# KiCad board NewMXtest.kicad_pcb (continued)
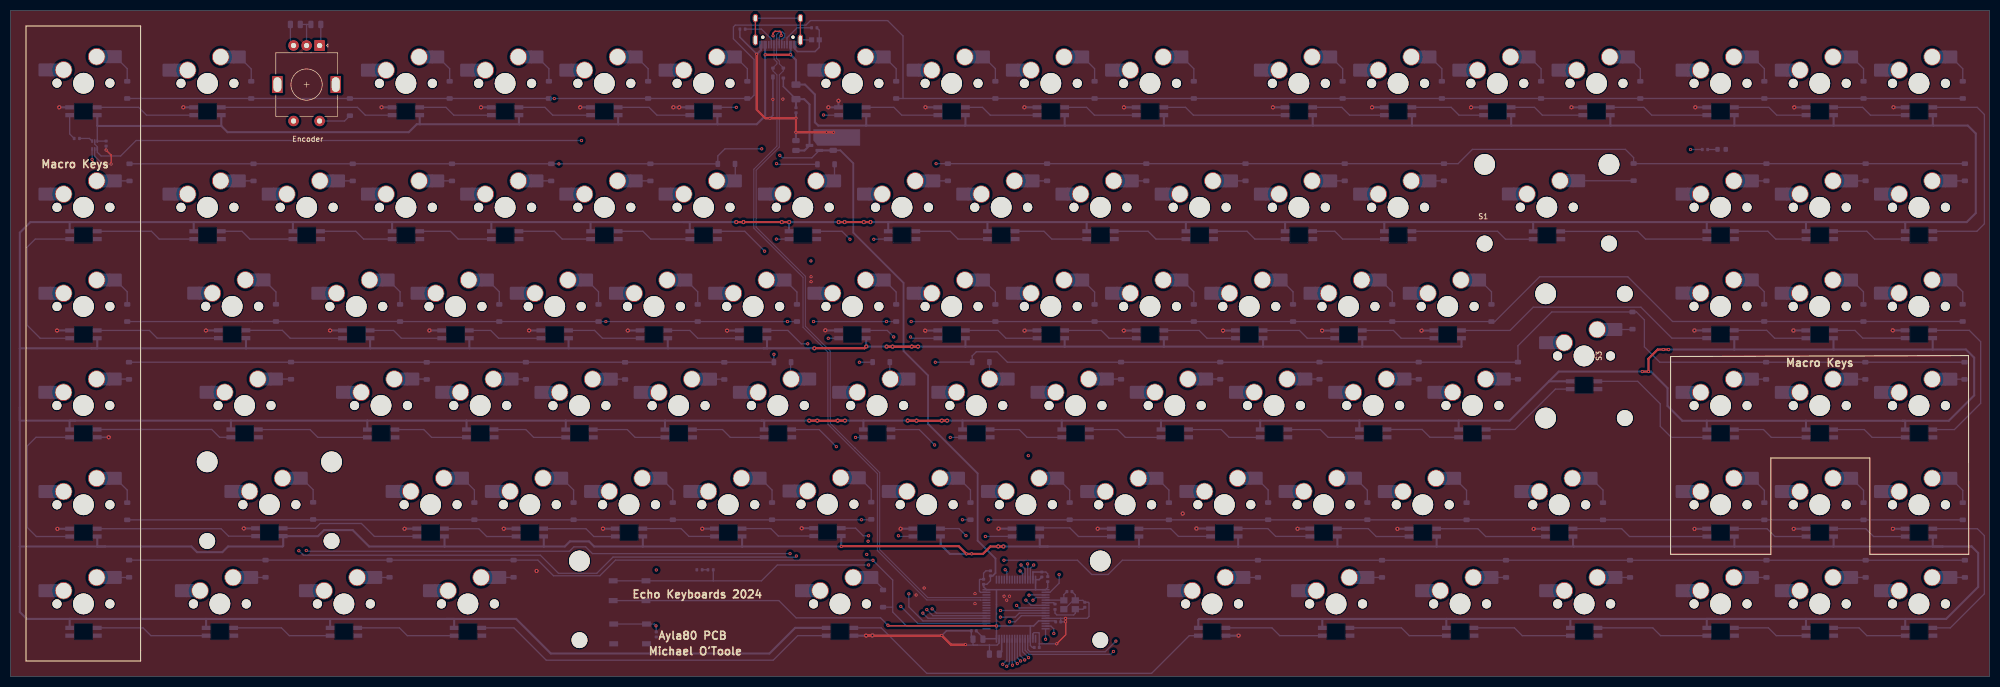
[diagram p0: board, top side]
## Routing (per net, layer and track width the routed paths; a pad name or vN(x,y) marks a point on that pad's centre or on a via; arc(x,y) is an arc through that point) (continued)
COL1: length 331.8
  In2.Cu w0.25: MX54.1 32.95,54.63 32.8,54.47 ; 30.51,92.7 30.51,76.66 32.8,74.38 32.8,72.7 ; 30.51,92.7 30.51,114.89 32.14,116.52 MX2.1 ; 30.51,92.7 30.52,92.71 MX19.1 ; v1(195.57,15.65) 196.95,15.65 197.5,15.1 197.5,7.35 195.44,5.29 180.84,5.29 176.9,1.35 38,1.35 32.8,6.56 32.8,16.37 ; 32.8,16.37 32.8,35.42 ; 32.8,16.37 32.93,16.51 MX89.1 ; 32.8,35.42 32.95,35.58 MX72.1 ; 32.8,35.42 32.8,54.47 ; 32.8,54.47 32.8,73.8 ; MX37.1 32.8,73.68
  Bottom w0.25: v1(195.57,15.65) 195.62,15.7 U2.3
COL2: length 283
  In1.Cu w0.25: MX90.1 74.39,16.51 88.9,2 189.2,2 196.32,9.12 v1(196.32,14.68)
  In2.Cu w0.25: 64.01,54.63 64.03,54.61 64.03,35.6 64.01,35.58 ; 64.01,54.63 MX55.1 ; 64.01,54.63 61.62,54.63 58.96,57.29 58.96,73.66 ; 64.01,35.58 62.5,35.58 60.22,33.29 60.22,29.3 59,28.08 59,24.3 60.22,23.08 MX90.1 ; 64.01,35.58 MX73.1 ; 47.78,92.66 47.78,84.69 58.81,73.66 58.96,73.66 ; 47.78,92.66 47.78,100.17 SW1.S1 ; 47.78,92.66 47.83,92.71 MX20.1 ; 58.96,73.66 MX38.1
  Bottom w0.25: U2.4 196.85,15.2 v1(196.32,14.68)
COL3: length 284.6
  In2.Cu w0.25: v1(193.2,13.67) 193.2,9.86 192.03,8.69 181.36,8.69 175.29,2.62 84.23,2.62 78.64,8.21 78.64,15.5 79.65,16.51 MX91.1 84.03,20.78 91.6,28.35 91.6,33.76 93.41,35.58 MX74.1 95.91,37.34 92.28,40.98 86.69,40.98 81.31,46.36 81.31,54.56 ; 81.31,54.56 81.37,54.63 MX56.1 ; 81.31,54.56 81.31,61.04 76.1,66.25 76.1,73.61 ; MX39.1 76.15,73.66 76.1,73.61 ; MX21.1 67.76,92.71 67.72,92.66 ; 76.1,73.61 76.1,78.44 73.44,81.11 69.5,81.11 67.72,82.89 67.72,92.66 ; 67.72,92.66 67.72,114.64 69.61,116.52 MX3.1
  Bottom w0.25: U2.8 193.67,13.2 v1(193.2,13.67)
COL4: length 225.9
  In1.Cu w0.25: v1(124.02,20.48) 141.38,3.12 172.67,3.12 182.24,12.7 v1(190.08,12.7)
  In2.Cu w0.25: 87.2,92.66 87.25,92.71 MX22.1 ; 87.2,92.66 87.2,82.81 88.88,81.13 91.62,81.13 96.3,76.46 96.3,73.66 ; 87.2,92.66 87.2,114.91 88.81,116.52 MX4.1 ; MX40.1 96.3,73.66 96.3,73.66 ; 100.66,54.72 100.66,60.1 96.3,64.47 96.3,73.66 ; 100.66,54.72 100.77,54.61 MX57.1 ; 100.66,54.72 100.66,45.99 105.68,40.98 112.43,40.98 114.97,38.44 MX75.1 124.4,35.58 125.75,34.23 125.75,22.22 v1(124.02,20.48)
  Bottom w0.25: U2.9 v1(190.08,12.7)
COL5: length 254.9
  In1.Cu w0.25: MX41.1 119.75,76.8 121.34,78.39 149.89,78.39 151.36,79.86 v1(153.7,79.86)
  In2.Cu w0.25: v1(153.7,79.86) 164.01,79.86 166.17,77.7 166.17,73.79 165.18,72.8 165.18,68.53 167.26,66.45 167.26,62.44 167.57,62.13 172.09,62.13 175.88,58.35 175.88,37.23 179.05,34.05 179.05,31.58 181.1,29.53 181.1,11.9 181.09,11.89 181.54,11.43 v1(190.07,11.43) ; 106.41,92.66 106.45,92.71 MX23.1 ; 106.41,92.66 106.41,83.57 115.45,74.53 115.45,73.66 ; 106.41,92.66 106.41,115.07 106.66,115.32 106.66,115.52 107.66,116.52 MX5.1 ; MX41.1 115.45,73.66 115.45,73.66 ; 120.53,54.56 120.53,58.17 115.45,63.25 115.45,73.66 ; 120.53,54.56 120.57,54.61 MX58.1 ; 120.53,54.56 120.53,45.74 130.69,35.58 MX76.1
  Bottom w0.25: v1(190.07,11.43) 192.93,11.43 193.7,12.2 U2.10
COL6: length 184.8
  In2.Cu w0.25: 138.3,54.6 138.33,54.63 MX59.1 ; 138.3,54.6 138.3,60.41 134.24,64.47 134.24,73.6 ; 138.3,54.6 138.3,47.25 148.54,37.01 148.54,14.78 152.11,11.21 170.37,11.21 171.06,10.52 v1(191.85,10.52) ; 125.4,92.7 125.41,92.71 MX24.1 ; 125.4,92.7 125.4,85.25 134.24,76.41 134.24,73.6 ; 125.4,92.7 125.4,114.81 127.11,116.52 MX6.1 ; 148.63,35.11 153.06,35.11 ; 134.24,73.6 134.3,73.66 MX42.1
  Bottom w0.25: v1(191.85,10.52) 192.92,10.52 194.1,11.7 U2.11
COL7: length 219.4
  In1.Cu w0.25: MX60.1 168.06,54.63 169.57,53.12 169.57,50.37 172.12,47.83 MX78.1 ; MX78.1 184.24,35.58 189.41,30.41 199.19,30.41 200.69,28.91 200.69,23.86 207.8,16.75 207.8,11.13 204.96,8.29 v1(200.33,8.29) ; MX78.1 170.08,35.58 166.5,32 163.2,32 161.7,30.5 161.7,22.74 MX92.1
  In2.Cu w0.25: 141.91,92.66 141.91,82.91 144.51,80.32 146.89,80.32 151.67,75.54 151.67,73.72 ; 141.91,92.66 141.91,101.55 145.83,105.47 153.7,105.47 154.21,105.97 154.21,114.97 155.76,116.52 MX7.1 ; 141.91,92.66 141.96,92.71 MX25.1 ; 151.67,73.72 151.67,62.59 155.63,58.63 155.63,55.17 156.17,54.63 MX60.1 ; 151.67,73.72 151.73,73.66 MX43.1
  Bottom w0.25: U2.15 199.79,9.7 200.33,9.15 v1(200.33,8.29)
COL8: length 171
  In1.Cu w0.25: v1(198.75,7.18) 205.04,7.18 208.38,10.51 208.38,17.42 201.58,24.22 201.58,34.12 200.12,35.58 MX79.1
  In2.Cu w0.25: MX79.1 191.16,40.34 192.05,41.23 192.05,53.8 191.23,54.63 MX61.1 181.64,60.15 187.35,65.87 187.35,72.85 186.55,73.66 MX44.1 176.9,76.24 178.72,78.06 178.72,91.01 177.02,92.71 MX26.1 167.37,99.22 172.75,104.6 172.75,115.65 173.62,116.52 MX8.1
  Bottom w0.25: U2.16 v1(198.75,7.18)
COL9: length 172.7
  In2.Cu w0.25: 191.75,73.61 191.75,62.59 196.32,58.02 196.32,54.67 ; 191.75,73.61 191.75,78.49 190.38,79.86 184.59,79.86 182.81,81.64 182.81,92.05 183.46,92.71 MX27.1 186.42,95.92 191.34,100.84 191.34,115.27 192.59,116.52 MX9.1 ; 191.75,73.61 191.79,73.66 MX45.1 ; 196.32,54.67 196.36,54.63 MX62.1 ; 196.32,54.67 196.32,47.5 204.73,39.1 204.73,35.59 204.76,35.56 ; 204.76,35.56 MX80.1 ; 204.76,35.56 204.76,27.49 207.12,25.13 211.92,25.13 213.9,23.15 213.9,8.47 212.25,6.82 v1(212.25,6.82)
  Bottom w0.25: v1(212.25,6.82) 210.21,4.78 195.74,4.78 195.32,5.19 U2.20
COL10: length 169.3
  In2.Cu w0.25: 214.2,54.67 214.24,54.63 MX63.1 ; 214.2,54.67 214.2,56.7 210.6,60.3 210.6,73.61 ; 214.2,54.67 214.2,47.2 223.93,37.47 223.93,35.59 ; MX46.1 210.64,73.66 210.6,73.61 ; 223.93,35.59 223.94,35.58 MX81.1 ; 223.93,35.59 223.93,24.66 215.93,16.65 215.93,8.98 v1(211.78,4.83) ; 210.6,73.61 210.6,76.51 201.66,85.45 201.66,90.84 203.53,92.71 MX28.1 208.77,96 208.77,113.14 212.15,116.52 MX10.1
  Bottom w0.25: v1(211.78,4.83) 211.22,4.27 195.61,4.27 194.82,5.06 U2.21
COL11: length 197.3
  In2.Cu w0.25: MX64.1 233.49,54.63 233.46,54.67 ; MX11.1 235.98,116.52 224.52,105.07 MX29.1 222.53,92.71 221.21,91.39 221.21,82.66 229.44,74.43 229.44,73.66 ; 243.21,35.64 243.21,39.83 241.15,41.89 235.77,41.89 233.46,44.2 233.46,54.67 ; 243.21,35.64 243.27,35.58 MX82.1 ; 243.21,35.64 243.21,20.08 239.63,16.51 MX93.1 225.28,16.51 212.41,3.64 v1(195.48,3.64) ; 233.46,54.67 233.46,58.83 229.44,62.84 229.44,73.66 ; 229.44,73.66 229.45,73.66 MX47.1
  Bottom w0.25: U2.22 194.32,4.8 v1(195.48,3.64)
COL12: length 217.7
  In2.Cu w0.25: v1(194.75,3.2) 195.08,2.88 234.75,2.88 248.38,16.51 MX94.1 262.72,28.51 262.72,34.45 263.83,35.56 MX83.1 267.37,47.88 268.28,48.8 268.28,53.19 266.84,54.63 MX65.1 252.47,54.63 252.35,54.51 252.35,58.58 247.73,63.2 247.73,73.66 ; 247.73,73.66 247.73,73.87 240.21,81.39 240.21,92.16 240.76,92.71 MX30.1 243.57,99.28 247.02,102.72 251.95,102.72 255.1,105.87 255.1,113.59 258.02,116.52 MX12.1 ; 247.73,73.66 247.74,73.66 MX48.1
  Bottom w0.25: U2.23 193.82,4.13 v1(194.75,3.2)
COL13: length 237.5
  In2.Cu w0.25: 268.58,73.72 268.64,73.66 MX49.1 ; 268.58,73.72 268.58,64.67 273.33,59.92 273.33,54.59 ; 268.58,73.72 268.58,76.43 259.08,85.93 259.08,91.5 260.3,92.71 MX31.1 278.13,108.22 278.13,115.57 279.08,116.52 MX13.1 ; 273.33,54.59 273.33,46.87 280,40.2 280,35.51 ; 273.33,54.59 273.37,54.63 MX66.1 ; 280,35.51 280.05,35.56 MX84.1 ; 280,35.51 280,24.68 280.01,24.67 274.53,19.18 MX95.1 274.53,12.35 264.6,2.43 194.54,2.43 v1(193.96,3)
  Bottom w0.25: v1(193.96,3) 193.32,3.64 U2.24
COL14: length 242.5
  In2.Cu w0.25: MX14.1 298.51,116.52 295.97,113.97 295.97,97.39 291.14,92.56 288.93,92.56 287.74,91.37 287.74,69.7 293.34,64.1 ; MX67.1 293.39,64.15 293.34,64.1 ; 293.34,64.1 293.34,57.1 297.59,52.85 297.59,47.33 306.43,38.49 306.43,24.6 MX96.1 298.34,12.82 287.5,1.98 193.84,1.98 v1(193.32,2.49)
  Bottom w0.25: U2.25 192.82,2.99 v1(193.32,2.49)
COL15: length 262.1
  In2.Cu w0.25: 320.98,54.61 320.98,35.54 ; 320.98,54.61 320.98,73.72 ; 320.98,54.61 320.99,54.61 MX68.1 ; 320.98,35.54 320.98,21.67 324.54,18.12 MX97.1 321.02,16.51 320.98,16.54 305.97,1.53 193.07,1.53 v1(192.39,2.2) ; 320.98,35.54 321,35.56 MX85.1 ; 320.98,92.7 320.98,73.72 ; 320.98,92.7 320.99,92.71 MX33.1 ; 320.98,92.7 320.98,115.02 322.49,116.52 MX15.1 ; 320.98,73.72 321.02,73.68 MX50.1
  Bottom w0.25: v1(192.39,2.2) 192.32,2.27 U2.26
COL16: length 284.5
  In2.Cu w0.25: 340.03,35.56 340.04,35.56 MX86.1 ; 340.03,35.56 340.03,54.61 ; 340.03,35.56 340.03,16.46 ; 340.03,16.46 340.08,16.51 MX98.1 ; 340.03,16.46 340.03,11.46 329.65,1.08 192.2,1.08 v1(191.29,1.99) ; MX34.1 340.1,92.71 340.03,92.64 ; MX69.1 340.04,54.61 340.03,54.61 ; 340.03,73.64 340.05,73.66 MX51.1 ; 340.03,73.64 340.03,54.61 ; 340.03,73.64 340.03,92.64 ; 340.03,92.64 340.03,115.07 341.49,116.52 MX16.1
  Bottom w0.25: v1(191.29,1.99) 191.82,2.52 U2.27
COL17: length 304.7
  In2.Cu w0.25: MX70.1 359.12,54.61 359.11,54.61 ; 359.11,73.74 359.17,73.68 MX52.1 ; 359.11,73.74 359.11,54.61 ; 359.11,73.74 359.11,92.69 ; 359.11,54.61 359.11,35.54 ; 359.11,35.54 359.11,16.51 ; 359.11,35.54 359.13,35.56 MX87.1 ; 359.11,16.51 359.12,16.51 MX99.1 ; 359.11,16.51 359.11,11.08 348.66,0.62 191.75,0.62 190.53,1.84 v1(190.53,2.37) ; 359.11,92.69 359.11,114.74 360.89,116.52 MX17.1 ; 359.11,92.69 359.13,92.71 MX35.1
  Bottom w0.25: U2.28 191.32,3.16 v1(190.53,2.37)
D+: length 140
  Bottom w0.2: U4.3 148.4,116.39 147.63,115.61 147.63,101.74 143.18,97.3 143.18,86.36 152.63,76.91 152.63,67.31 157.4,62.53 157.4,48.67 162.16,43.92 162.18,43.92 166.9,39.19 166.9,24.41 176.14,15.17 186.21,15.17 186.24,15.2 U2.45 ; 148.4,116.96 147.63,117.74 147.63,118.25 147.08,118.8 147.08,120.3 ; J1.A6 147.1,120.32
  Bottom w0.25: J1.A6 147.1,123.35 147.61,123.85 148.27,123.85 148.66,123.47 148.66,122.91 148.26,122.51 148.18,122.51 148.1,122.43 J1.B6
D-: length 140.9
  Top w0.25: 146.41,123.15 146.41,123.62 146.79,124 147.76,124 147.98,123.77 v1(147.98,123.19)
  Bottom w0.2: U2.44 186.24,14.7 186.21,14.72 175.95,14.72 166.45,24.22 166.45,39 156.95,48.5 156.95,62.34 152.18,67.12 152.18,76.72 142.73,86.17 142.73,97.48 147.18,101.93 147.18,115.61 146.78,116.01 146.4,116.39 U4.2 ; 146.4,116.96 147.18,117.74 147.18,118.06 146.63,118.61 146.63,120.3 ; J1.B7 146.6,120.32
  Bottom w0.25: v1(147.98,123.19) 147.6,122.81 J1.A7 ; J1.B7 146.6,122.95
  vias: v1(146.43,123.13)
NRST: length 95.4
  In1.Cu w0.25: v1(194.97,14.69) 194.97,9.94 187.69,2.65 132.83,2.65 125.73,9.74 v1(123.95,9.74)
  Bottom w0.25: C9.1 124,9.74 123.65,10.1 RST1.1 RST1.1 ; v1(194.97,14.69) 195.96,13.7 U2.7
PH0: length 5.5
  Bottom w0.25: U2.5 202.21,14.7 Y1.3 202.26,15.75 C10.1
PH1: length 1.9
  Bottom w0.25: U2.6 200.29,14.2 R2.1
R_A: length 267.3
  In1.Cu w0.25: v1(164.42,23.47) 165.54,24.59 186.29,24.59 187.66,23.22 193.73,23.22 v1(195.31,21.65)
  In2.Cu w0.25: v1(150.91,23.17) 151.01,23.17 151.31,23.47 v1(164.42,23.47) ; SW1.A 59.36,122.59 58.65,123.3 52.86,123.3 45.19,115.63 45.19,80.83 56.05,69.97 56.05,24.86 v1(55.38,24.19)
  Bottom w0.25: v1(55.38,24.19) 56.24,23.32 101.74,23.32 105.22,19.84 112.58,19.84 115.7,22.97 150.7,22.97 v1(150.91,23.17) ; v1(195.31,21.65) 195.32,21.63 U2.61 ; C17.1 59.59,121.48 SW1.A
R_B: length 256.5
  In1.Cu w0.25: v1(164.67,26.01) 165.13,26.01 165.69,25.46 186.82,25.46 188.4,23.88 195.56,23.88 196.47,22.97 v1(196.47,21.44)
  In2.Cu w0.25: v1(149.69,23.63) 150.14,24.08 162.74,24.08 v1(164.67,26.01) ; v1(56.8,24.24) 56.8,71.05 46.26,81.59 46.26,113.15 SW1.B
  Bottom w0.25: SW1.B 53.76,121.86 C16.1 ; v1(149.69,23.63) 111.75,23.63 110.45,24.93 108.18,24.93 107.33,24.08 56.95,24.08 v1(56.8,24.24) ; U2.62 195.82,20.79 v1(196.47,21.44)
RGB: length 271
  In1.Cu w0.25: v1(190.99,20.53) 188.55,20.53 171.62,3.6 141.68,3.6 126.43,18.85 126.43,28 124.25,30.18 112.55,30.18 109.25,33.48 109.25,36.61 96.96,48.9 96.96,75.29 103.26,81.59 103.26,98.05 101.96,99.34 v1(15.68,99.34)
  Bottom w0.25: U2.53 191.32,20.19 v1(190.99,20.53) ; v1(15.68,99.34) 15.68,99.35 U1.3
RGB_DATA: length 4.8
  Bottom w0.25: R1.2 11.38,104.27 RGB1.4
ROW0: length 560.1
  In1.Cu w0.25: v1(104.42,111.05) 104.42,81.61 112.55,73.49 112.55,61.68 118.9,55.33 118.9,43.63 127.15,35.38 127.15,18.88 141.97,4.05 170.7,4.05 176.97,10.32 v1(176.97,13.01)
  Bottom w0.25: D17.1 D16.1 D15.1 D14.1 D13.1 D12.1 D11.1 D10.1 D9.1 D8.1 171.38,111.08 ; v1(176.97,13.01) 177.78,12.2 U2.39 ; D7.1 171.38,111.08 ; 171.38,111.08 171.38,123.09 168.43,126.04 153.6,126.04 152.73,125.18 139.17,125.18 138.82,124.82 138.82,122.53 142.78,118.57 142.78,111.71 142.14,111.08 D6.1 D5.1 D4.1 D3.1 D2.1 D1.1
ROW1: length 526
  In1.Cu w0.25: v1(175.95,12.86) 175.95,11.03 169.42,4.5 142.16,4.5 127.75,18.91 127.75,35.97 119.66,44.05 119.66,55.63 113.36,61.93 113.36,74.07 105.31,82.12 v1(105.31,98.51) ; v1(177.73,98.56) v1(147.1,98.56) v1(144.25,101.4)
  Bottom w0.25: D35.1 D34.1 D33.1 311.68,98.56 D32.1 311.66,99.71 310.07,101.3 280.7,101.3 277.96,98.56 D31.1 D30.1 D26.1 v1(177.73,98.56) ; v1(144.25,101.4) 137.19,101.4 135.82,100.03 D24.1 122.9,98.51 D23.1 D18.1 ; U2.38 177.11,11.7 v1(175.95,12.86) ; D25.1 147.22,98.43 v1(147.1,98.56)
ROW2: length 486.5
  In1.Cu w0.25: v1(114.33,68.22) 114.33,62.39 120.43,56.29 120.43,44.88 128.38,36.93 128.38,18.93 142.33,4.98 167.97,4.98 v1(175.19,12.2) ; v1(168.2,68.22) v1(172.94,68.22) ; v1(149.18,68.22) v1(154.2,68.22)
  Bottom w0.25: v1(172.94,68.22) D44.1 D45.1 D47.1 D49.1 285.01,68.22 293.6,76.81 310.55,76.81 319.12,68.24 D50.1 D52.1 ; v1(175.19,12.2) 176.19,11.2 U2.37 ; D36.1 46.45,68.22 46.47,68.24 D37.1 74.79,68.24 D38.1 D39.1 D40.1 D41.1 v1(149.18,68.22) D42.1 ; v1(154.2,68.22) v1(168.2,68.22) D43.1
ROW3: length 439.4
  In1.Cu w0.25: v1(177.58,60.41) v1(163,60.41) 161.48,61.93 v1(146.59,61.93)
  In2.Cu w0.25: v1(172.5,15.9) 172.5,20.58 168.77,24.31 168.77,54.54 163,60.31 v1(163,60.41)
  Bottom w0.25: v1(177.58,60.41) 177.6,60.43 D61.1 184.67,61.6 184.66,61.61 185.45,62.41 189.42,62.41 191.42,60.41 289.42,60.41 D66.1 289.44,63.56 295.94,70.06 D67.1 312.2,70.06 313.72,68.53 313.72,63.35 316.67,60.41 D68.1 D69.1 D70.1 ; v1(172.5,15.9) 172.5,13.4 175.2,10.7 U2.36 ; v1(146.59,61.93) D59.1 D53.1 ; 165.64,60.41 v1(163,60.41)
ROW4: length 393.5
  In1.Cu w0.25: v1(170.96,13.48) 170.94,13.48 163.4,21.02 v1(163.4,30.13) v1(182.78,30.13) v1(187.76,30.13)
  Bottom w0.25: D78.1 182.79,30.14 v1(182.78,30.13) ; v1(170.96,13.48) 174.24,10.2 U2.35 ; 165.29,30.13 v1(163.4,30.13) 163.39,30.12 D71.1 ; D87.1 D85.1 187.77,30.12 v1(187.76,30.13)
ROW5: length 389.7
  In1.Cu w0.25: v1(190.76,22.36) v1(165.61,22.36)
  Bottom w0.25: D88.1 D89.1 D91.1 101.27,22.38 104.28,19.38 113.17,19.38 116.18,22.38 165.56,22.38 169.4,18.55 169.4,12.4 ; D92.1 169.37,13.34 ; U2.34 172.1,9.7 169.4,12.4 ; v1(190.76,22.36) 204.87,22.36 207.6,19.62 210.77,19.62 213.5,22.36 D93.1 D99.1
Net-(C11-Pad1): length 7.6
  Bottom w0.25: R2.2 200.56,12.2 200.92,11.84 204.14,11.84 204.46,12.15 Y1.1 205.91,12.95 C11.1
Net-(D1-A): length 5.7
  Bottom w0.25: D1.2 22.42,116.8 MX1.2
Net-(D2-A): length 5.6
  Bottom w0.25: MX2.2 46.24,116.75 D2.2
Net-(D3-A): length 5.7
  Bottom w0.25: 82.02,119.11 84.34,116.8 D3.2
Net-(D4-A): length 5.7
  Bottom w0.25: D4.2 103.39,116.8 101.07,119.11
Net-(D5-A): length 5.7
  Bottom w0.25: D5.2 122.44,116.8 120.12,119.11
Net-(D6-A): length 5.7
  Bottom w0.25: 139.17,119.11 141.49,116.8 D6.2
Net-(D7-A): length 5.7
  Bottom w0.25: D7.2 170.06,116.8 167.75,119.11
Net-(D8-A): length 5.7
  Bottom w0.25: 186.8,119.11 189.11,116.8 D8.2
Net-(D9-A): length 5.7
  Bottom w0.25: D9.2 208.16,116.8 205.85,119.11
Net-(D10-A): length 5.7
  Bottom w0.25: 224.9,119.11 227.21,116.8 D10.2
Net-(D11-A): length 5.7
  Bottom w0.25: D11.2 255.79,116.8 253.47,119.11
Net-(D12-A): length 5.7
  Bottom w0.25: D12.2 274.84,116.8 272.52,119.11
Net-(D13-A): length 5.7
  Bottom w0.25: 291.57,119.11 293.89,116.8 D13.2
Net-(D14-A): length 5.7
  Bottom w0.25: D14.2 312.94,116.8 310.62,119.11
Net-(D15-A): length 5.7
  Bottom w0.25: D15.2 336.75,116.8 334.44,119.11
Net-(D16-A): length 5.7
  Bottom w0.25: D16.2 355.8,116.8 353.49,119.11
Net-(D17-A): length 5.7
  Bottom w0.25: D17.2 374.85,116.8 372.54,119.11
Net-(D18-A): length 2.8
  Bottom w0.25: D18.2 22.85,95.25 MX18.2
Net-(D19-A): length 2.8
  Bottom w0.25: D19.2 46.66,95.25 MX19.2
Net-(D20-A): length 2.8
  Bottom w0.25: D20.2 65.71,95.25 MX20.2
Net-(D21-A): length 2.8
  Bottom w0.25: MX21.2 84.76,95.25 D21.2
Net-(D22-A): length 2.8
  Bottom w0.25: MX22.2 103.81,95.25 D22.2
Net-(D23-A): length 2.8
  Bottom w0.25: D23.2 122.86,95.25 MX23.2
Net-(D24-A): length 3.3
  Bottom w0.25: D24.2 139.17,98.45 MX24.2
Net-(D25-A): length 3.2
  Bottom w0.25: MX25.2 158.22,98.41 D25.2
Net-(D26-A): length 2.7
  Bottom w0.25: MX26.2 179.98,95.25 D26.2
Net-(D27-A): length 2.7
  Bottom w0.25: D27.2 199.03,95.25 MX27.2
Net-(D28-A): length 2.7
  Bottom w0.25: D28.2 218.08,95.25 MX28.2
Net-(D29-A): length 2.7
  Bottom w0.25: MX29.2 237.13,95.25 D29.2
Net-(D30-A): length 2.7
  Bottom w0.25: D30.2 256.18,95.25 MX30.2
Net-(D31-A): length 2.7
  Bottom w0.25: D31.2 275.23,95.25 MX31.2
Net-(D32-A): length 10.6
  Bottom w0.25: D32.2 311.64,95.27 MX32.2
Net-(D33-A): length 2.7
  Bottom w0.25: D33.2 337.14,95.25 MX33.2
Net-(D34-A): length 2.7
  Bottom w0.25: D34.2 356.19,95.25 MX34.2
Net-(D35-A): length 2.7
  Bottom w0.25: D35.2 375.24,95.25 MX35.2
Net-(D36-A): length 5.7
  Bottom w0.25: 20.11,76.25 22.42,73.93 D36.2
Net-(D37-A): length 5.6
  Bottom w0.25: MX37.2 50.98,73.9 D37.2
Net-(D38-A): length 5.7
  Bottom w0.25: 72.5,76.25 74.81,73.93 D38.2
Net-(D39-A): length 5.7
  Bottom w0.25: D39.2 93.86,73.93 91.55,76.25
Net-(D40-A): length 5.7
  Bottom w0.25: 110.6,76.25 112.91,73.93 D40.2
Net-(D41-A): length 5.7
  Bottom w0.25: D41.2 131.96,73.93 129.65,76.25
Net-(D42-A): length 5.6
  Bottom w0.25: MX42.2 151.01,73.88 D42.2
Net-(D43-A): length 5.6
  Bottom w0.25: D43.2 170.06,73.88 MX43.2
Net-(D44-A): length 5.6
  Bottom w0.25: D44.2 189.11,73.88 MX44.2
Net-(D45-A): length 5.6
  Bottom w0.25: D45.2 208.16,73.88 MX45.2
Net-(D46-A): length 5.7
  Bottom w0.25: 224.9,76.25 227.21,73.93 D46.2
Net-(D47-A): length 5.7
  Bottom w0.25: 243.95,76.25 246.26,73.93 D47.2
Net-(D48-A): length 5.7
  Bottom w0.25: D48.2 265.31,73.93 263,76.25
Net-(D49-A): length 5.7
  Bottom w0.25: 282.05,76.25 284.36,73.93 D49.2
Net-(D50-A): length 5.7
  Bottom w0.25: 334.42,76.27 336.73,73.95 D50.2
Net-(D51-A): length 5.7
  Bottom w0.25: D51.2 355.78,73.93 353.47,76.25
Net-(D52-A): length 5.7
  Bottom w0.25: 374.85,71.52 374.85,73.93 372.54,76.25
Net-(D53-A): length 2.7
  Bottom w0.25: MX53.2 22.7,57.17 D53.2
Net-(D54-A): length 2.8
  Bottom w0.25: MX54.2 53.84,57.17 D54.2
Net-(D55-A): length 2.6
  Bottom w0.25: MX55.2 79.85,57.17
Net-(D56-A): length 2.6
  Bottom w0.25: MX56.2 98.9,57.17
Net-(D57-A): length 2.6
  Bottom w0.25: MX57.2 117.95,57.15
Net-(D58-A): length 2.6
  Bottom w0.25: MX58.2 137,57.15
Net-(D59-A): length 3.3
  Bottom w0.25: 149.8,60.41 149.8,57.26 MX59.2
Net-(D60-A): length 3.3
  Bottom w0.25: MX60.2 168.84,57.26 D60.2
Net-(D61-A): length 3.3
  Bottom w0.25: MX61.2 187.97,57.19 D61.2
Net-(D62-A): length 2.7
  Bottom w0.25: MX62.2 213.2,57.17 D62.2
Net-(D63-A): length 2.7
  Bottom w0.25: MX63.2 232.25,57.17 D63.2
Net-(D64-A): length 2.7
  Bottom w0.25: D64.2 251.3,57.17 MX64.2
Net-(D65-A): length 2.7
  Bottom w0.25: MX65.2 270.35,57.17 D65.2
Net-(D66-A): length 2.6
  Bottom w0.25: MX66.2 289.4,57.17
Net-(D67-A): length 3.5
  Bottom w0.25: 307.97,66.69 311.37,66.69 D67.2
Net-(D68-A): length 2.7
  Bottom w0.25: MX68.2 337.05,57.15 D68.2
Net-(D69-A): length 2.7
  Bottom w0.25: D69.2 356.1,57.15 MX69.2
Net-(D70-A): length 2.7
  Bottom w0.25: D70.2 375.15,57.15 MX70.2
Net-(D71-A): length 5.7
  Bottom w0.25: D71.2 22.42,35.83 20.11,38.15
Net-(D72-A): length 5.7
  Bottom w0.25: 55.81,38.22 58.12,35.9 D72.2
Net-(D73-A): length 5.7
  Bottom w0.25: D73.2 89.08,35.85 86.77,38.17
Net-(D74-A): length 5.7
  Bottom w0.25: D74.2 108.13,35.85 105.82,38.17
Net-(D75-A): length 5.7
  Bottom w0.25: 124.87,38.17 127.18,35.85 D75.2
Net-(D76-A): length 5.7
  Bottom w0.25: D76.2 146.23,35.85 143.92,38.17
Net-(D77-A): length 5.7
  Bottom w0.25: D77.2 165.28,35.93 162.97,38.25
Net-(D78-A): length 5.7
  Bottom w0.25: D78.2 184.33,35.85 182.02,38.17
Net-(D79-A): length 5.6
  Bottom w0.25: MX79.2 203.38,35.8 D79.2
Net-(D80-A): length 5.7
  Bottom w0.25: D80.2 222.43,35.83 220.12,38.15
Net-(D81-A): length 5.7
  Bottom w0.25: D81.2 241.48,35.85 239.17,38.17
Net-(D82-A): length 5.6
  Bottom w0.25: MX82.2 260.53,35.8 D82.2
Net-(D83-A): length 5.6
  Bottom w0.25: D83.2 279.58,35.78 MX83.2
Net-(D84-A): length 5.7
  Bottom w0.25: D84.2 305.77,35.83 303.46,38.15
Net-(D85-A): length 5.6
  Bottom w0.25: D85.2 336.75,35.78 MX85.2
Net-(D86-A): length 5.6
  Bottom w0.25: MX86.2 355.8,35.78 D86.2
Net-(D87-A): length 5.6
  Bottom w0.25: MX87.2 374.85,35.78 D87.2
Net-(D88-A): length 2.7
  Bottom w0.25: D88.2 22.75,19.05 MX88.2
Net-(D89-A): length 2.7
  Bottom w0.25: D89.2 48.95,19.05 MX89.2
Net-(D90-A): length 2.7
  Bottom w0.25: MX90.2 72.76,19.05 D90.2
Net-(D91-A): length 2.7
  Bottom w0.25: MX91.2 96.57,19.05 D91.2
Net-(D92-A): length 3.3
  Bottom w0.25: D92.2 167.54,16.87 MX92.2
Net-(D93-A): length 2.7
  Bottom w0.25: D93.2 239.52,19.05 MX93.2
Net-(D94-A): length 2.7
  Bottom w0.25: D94.2 263.33,19.05 MX94.2
Net-(D95-A): length 2.7
  Bottom w0.25: D95.2 287.14,19.05 MX95.2
Net-(D96-A): length 2.7
  Bottom w0.25: MX96.2 310.95,19.05 D96.2
Net-(D97-A): length 2.7
  Bottom w0.25: MX97.2 337.15,19.05 D97.2
Net-(D98-A): length 2.7
  Bottom w0.25: D98.2 356.2,19.05 MX98.2
Net-(D99-A): length 2.7
  Bottom w0.25: D99.2 375.25,19.05 MX99.2
Net-(D100-A): length 6.2
  Bottom w0.25: SW1.S2 64.15,106.75 D100.2
Net-(J1-CC1): length 6.9
  Bottom w0.25: R5.2 144.19,124.41 146.1,122.5 J1.A5
Net-(J1-CC2): length 6.8
  Bottom w0.25: J1.B5 149.1,122.72 151.05,124.66 R6.1
Net-(J1-SHIELD): length 19.2
  Top w0.25: J1.S1 J1.S1 ; J1.S1 J1.S1
  Bottom w0.25: J1.S1 153.8,122.32 FB1.1 ; J1.S1 J1.S1
Net-(Led1-A): length 1.9
  Bottom w0.25: R7.2 327.74,101.27 Led1.2
Net-(R3-Pad2): length 1.1
  Bottom w0.25: R3.2 R4.2
Net-(RGB1-DOUT): length 19.1
  Bottom w0.25: RGB2.4 26.12,107.88 24.62,109.38 RGB1.2
Net-(RGB2-DOUT): length 33.4
  Bottom w0.25: RGB2.2 66.62,109.38 68.12,107.88 RGB3.4
Net-(RGB3-DOUT): length 14.4
  Bottom w0.25: RGB3.2 83.62,109.38 85.12,107.88 RGB4.4
Net-(RGB4-DOUT): length 14.4
  Bottom w0.25: RGB5.4 104.12,107.88 102.62,109.38 RGB4.2
Net-(RGB5-DOUT): length 14.4
  Bottom w0.25: RGB5.2 122.62,109.38 124.12,107.88 RGB6.4
Net-(RGB6-DOUT): length 23.9
  In1.Cu w0.25: v1(139.37,109.38) 154.64,109.38 v1(156.11,107.9)
  Bottom w0.25: v1(156.11,107.9) 156.14,107.88 RGB7.4 ; RGB6.2 v1(139.37,109.38)
Net-(RGB7-DOUT): length 14.4
  Bottom w0.25: RGB8.4 171.12,107.88 169.62,109.38 RGB7.2
Net-(RGB8-DOUT): length 14.4
  Bottom w0.25: RGB9.4 188.12,107.88 186.62,109.38 RGB8.2
Net-(RGB10-DIN): length 14.4
  Bottom w0.25: RGB10.4 208.12,107.88 206.62,109.38 RGB9.2
Net-(RGB10-DOUT): length 23.9
  Bottom w0.25: RGB11.4 227.12,107.88 225.62,109.38 RGB10.2
Net-(RGB11-DOUT): length 14.4
  Bottom w0.25: RGB11.2 255.62,109.38 257.12,107.88 RGB12.4
Net-(RGB12-DOUT): length 14.4
  Bottom w0.25: RGB12.2 276.62,109.38 278.12,107.88 RGB13.4
Net-(RGB13-DOUT): length 14.4
  Bottom w0.25: RGB14.4 294.12,107.88 292.62,109.38 RGB13.2
Net-(RGB14-DOUT): length 19.1
  Bottom w0.25: RGB15.4 315.12,107.88 313.62,109.38 RGB14.2
Net-(RGB15-DOUT): length 14.4
  Bottom w0.25: RGB16.4 339.12,107.88 337.62,109.38 RGB15.2
Net-(RGB16-DOUT): length 14.4
  Bottom w0.25: RGB16.2 355.62,109.38 357.12,107.88 RGB17.4
Net-(RGB17-DOUT): length 42
  Bottom w0.25: RGB35.4 377.56,85.56 379,87 379,108 377.62,109.38 RGB17.2
Net-(RGB18-DIN): length 19.1
  Bottom w0.25: RGB19.2 28.57,84.06 27.07,85.56 RGB18.4
Net-(RGB18-DOUT): length 33
  Bottom w0.25: RGB36.4 5.71,65.01 3.2,67.52 3.2,82.5 4.76,84.06 RGB18.2
Net-(RGB19-DIN): length 14.4
  Bottom w0.25: RGB19.4 44.47,85.56 45.97,84.06 RGB20.2
Net-(RGB20-DIN): length 14.4
  Bottom w0.25: RGB21.2 67.81,84.06 66.31,85.56 RGB20.4
Net-(RGB21-DIN): length 14.4
  Bottom w0.25: RGB21.4 84.47,85.56 85.97,84.06 RGB22.2
Net-(RGB22-DIN): length 14.4
  Bottom w0.25: RGB23.2 105.94,84.06 104.44,85.56 RGB22.4
Net-(RGB23-DIN): length 14.4
  Bottom w0.25: RGB24.2 122.94,84.06 121.44,85.56 RGB23.4
Net-(RGB24-DIN): length 16.3
  In1.Cu w0.25: v1(144.81,81.74) 144.81,81.81 v1(147.06,84.06)
  Bottom w0.25: RGB24.4 140.99,85.56 v1(144.81,81.74) ; RGB25.2 v1(147.06,84.06)
Net-(RGB25-DIN): length 14.4
  In1.Cu w0.25: v1(161.19,84.03) v1(165.76,84.03)
  Bottom w0.25: RGB26.2 165.8,84.06 v1(165.76,84.03) ; RGB25.4 159.66,85.56 v1(161.19,84.03)
Net-(RGB26-DIN): length 14.4
  Bottom w0.25: RGB27.2 181.94,84.06 180.44,85.56 RGB26.4
Net-(RGB27-DIN): length 14.4
  Bottom w0.25: RGB28.2 199.94,84.06 198.44,85.56 RGB27.4
Net-(RGB28-DIN): length 14.4
  Bottom w0.25: RGB28.4 218.44,85.56 219.94,84.06 RGB29.2
Net-(RGB29-DIN): length 14.4
  Bottom w0.25: RGB29.4 237.44,85.56 238.94,84.06 RGB30.2
Net-(RGB30-DIN): length 14.4
  Bottom w0.25: RGB31.2 255.77,84.06 254.27,85.56 RGB30.4
Net-(RGB31-DIN): length 23.9
  Bottom w0.25: RGB31.4 285.53,85.56 287.05,84.04 RGB32.2
Net-(RGB32-DIN): length 28.6
  Bottom w0.25: RGB33.2 313.94,84.06 312.46,85.54 RGB32.4
Net-(RGB33-DIN): length 14.4
  Bottom w0.25: RGB34.2 338.94,84.06 337.44,85.56 RGB33.4
Net-(RGB34-DIN): length 14.4
  Bottom w0.25: RGB35.2 357.94,84.06 356.44,85.56 RGB34.4
Net-(RGB36-DOUT): length 23.9
  Bottom w0.25: RGB37.4 28.17,65.03 26.69,66.51 RGB36.2
Net-(RGB37-DOUT): length 19.2
  Bottom w0.25: RGB38.4 53.72,65.01 52.2,66.53 RGB37.2
Net-(RGB38-DOUT): length 14.4
  Bottom w0.25: RGB38.2 73.55,66.51 75.05,65.01 RGB39.4
Net-(RGB39-DOUT): length 14.4
  Bottom w0.25: RGB39.2 92.22,66.51 93.72,65.01 RGB40.4
Net-(RGB40-DOUT): length 14.4
  Bottom w0.25: RGB40.2 112.16,66.51 113.66,65.01 RGB41.4
Net-(RGB41-DOUT): length 14.4
  Bottom w0.25: RGB41.2 130.45,66.51 131.95,65.01 RGB42.4
Net-(RGB42-DOUT): length 15.3
  In1.Cu w0.25: v1(153.09,63.94) 155.96,63.94 v1(157.03,65)
  Bottom w0.25: RGB42.2 149.27,66.51 151.85,63.94 v1(153.09,63.94) ; RGB43.4 159,65 v1(157.03,65)
Net-(RGB43-DOUT): length 14.4
  In1.Cu w0.25: v1(169.6,65.26) v1(172.83,65.26)
  Bottom w0.25: RGB44.4 173.07,65.01 v1(172.83,65.26) ; v1(169.6,65.26) 168.35,66.51 RGB43.2
Net-(RGB44-DOUT): length 14.4
  Bottom w0.25: RGB45.4 191.13,65.01 189.63,66.51 RGB44.2
Net-(RGB45-DOUT): length 14.4
  Bottom w0.25: RGB45.2 209.44,66.51 210.94,65.01 RGB46.4
Net-(RGB46-DOUT): length 14.4
  Bottom w0.25: RGB47.4 229.74,65.01 228.24,66.51 RGB46.2
Net-(RGB47-DOUT): length 14.4
  Bottom w0.25: RGB47.2 247.49,66.51 248.99,65.01 RGB48.4
Net-(RGB48-DOUT): length 14.4
  Bottom w0.25: RGB48.2 265.53,66.51 267.03,65.01 RGB49.4
Net-(RGB49-DOUT): length 51.4
  Bottom w0.25: RGB50.4 319,65.03 313.06,70.97 292.38,70.97 287.92,66.51 RGB49.2
Net-(RGB50-DOUT): length 14.4
  Bottom w0.25: RGB51.4 338.73,65.01 337.21,66.53 RGB50.2
Net-(RGB51-DOUT): length 14.4
  Bottom w0.25: RGB51.2 354.15,66.51 355.63,65.03 RGB52.4
Net-(RGB52-DOUT): length 33.2
  Bottom w0.25: RGB52.2 376.1,66.53 378.29,64.34 378.29,52.51 373.24,47.46 RGB70.4
Net-(RGB53-DIN): length 26.3
  Bottom w0.25: RGB53.4 38.66,47.48 40.16,45.98 RGB54.2
Net-(RGB53-DOUT): length 33.3
  Bottom w0.25: RGB71.4 4.97,26.91 3.23,28.66 3.23,44.3 4.91,45.98 RGB53.2
Net-(RGB54-DIN): length 21.5
  Bottom w0.25: RGB55.2 59.03,45.96 57.53,47.46 47.63,47.46
Net-(RGB55-DIN): length 14.4
  Bottom w0.25: RGB55.4 79.37,47.46 80.87,45.96 87.58,45.96
Net-(RGB56-DIN): length 14.4
  Bottom w0.25: 92.88,47.46 98.95,47.46 100.45,45.96 106.62,45.96
Net-(RGB57-DIN): length 14.4
  Bottom w0.25: 125.68,45.96 119.93,45.96 118.43,47.46 111.93,47.46
Net-(RGB58-DIN): length 14.4
  Bottom w0.25: 144.72,45.96 138.22,45.96 136.72,47.46 130.97,47.46
Net-(RGB59-DIN): length 15.9
  In1.Cu w0.25: v1(162.26,45.95) 160.48,44.18 v1(158.58,44.18)
  Bottom w0.25: v1(158.58,44.18) 155.29,47.46 150.03,47.46 ; v1(162.26,45.95) 162.27,45.96 163.78,45.96
Net-(RGB60-DIN): length 15.6
  In1.Cu w0.25: v1(177.45,44.51) 179,44.51 v1(180.45,45.95)
  Bottom w0.25: 169.07,47.46 174.49,47.46 v1(177.45,44.51) ; 182.82,45.96 180.46,45.96 v1(180.45,45.95)
Net-(RGB61-DIN): length 14.4
  Bottom w0.25: 188.12,47.46 193.69,47.46 195.19,45.96 201.88,45.96
Net-(RGB62-DIN): length 14.4
  Bottom w0.25: 220.93,45.96 214.07,45.96 212.57,47.46 207.18,47.46
Net-(RGB63-DIN): length 14.4
  Bottom w0.25: 226.23,47.46 232.48,47.46 233.98,45.96 239.98,45.96
Net-(RGB64-DIN): length 14.4
  Bottom w0.25: 259.02,45.96 253,45.96 251.5,47.46 245.27,47.46
Net-(RGB65-DIN): length 14.4
  Bottom w0.25: RGB65.4 271.04,47.48 272.54,45.98 RGB66.2
Net-(RGB66-DIN): length 19.3
  Bottom w0.25: RGB66.4 288.88,47.48 296.63,55.24 299.49,55.24
Net-(RGB67-DIN): length 27.9
  Bottom w0.25: RGB67.4 312.44,56.74 316.77,52.41 316.77,48.09 318.89,45.96 RGB68.2
Net-(RGB68-DIN): length 14.4
  Bottom w0.25: RGB68.4 336.59,47.46 338.09,45.96 RGB69.2
Net-(RGB69-DIN): length 14.4
  Bottom w0.25: RGB69.4 355.95,47.46 357.45,45.96 RGB70.2
Net-(RGB71-DOUT): length 31
  Bottom w0.25: RGB71.2 40.45,28.41 41.88,26.98 RGB72.4
Net-(RGB72-DOUT): length 27.1
  Bottom w0.25: RGB73.4 69.88,26.93 67.39,29.42 59.47,29.42 58.53,28.48 RGB72.2
Net-(RGB73-DOUT): length 14.4
  Bottom w0.25: 83.35,28.41 89.94,28.41 91.44,26.91 97.1,26.91
Net-(RGB74-DOUT): length 14.4
  Bottom w0.25: 116.15,26.91 112.01,26.91 110.51,28.41 102.4,28.41
Net-(RGB75-DOUT): length 14.4
  Bottom w0.25: RGB75.2 128.78,28.43 130.28,26.93 RGB76.4
Net-(RGB76-DOUT): length 14.3
  Bottom w0.25: RGB76.2 146,28.43 147.43,27.01 154.22,27.01 RGB77.4
Net-(RGB77-DOUT): length 14.4
  In1.Cu w0.25: v1(164.77,27.06) v1(170.49,27.06)
  Bottom w0.25: v1(164.77,27.06) 163.73,27.06 162.28,28.51 RGB77.2 ; RGB78.4 170.61,26.93 v1(170.49,27.06)
Net-(RGB78-DOUT): length 14.4
  In1.Cu w0.25: v1(183.47,27.08) 183.62,26.93 187.19,26.93 v1(187.19,26.93)
  Bottom w0.25: RGB78.2 182.12,28.43 v1(183.47,27.08) ; RGB79.4 v1(187.19,26.93)
Net-(RGB79-DOUT): length 14.4
  Bottom w0.25: 197.63,28.57 203.41,28.57 205.07,26.91 RGB80.4
Net-(RGB80-DOUT): length 14.4
  Bottom w0.25: RGB81.4 224.26,26.93 222.78,28.41 RGB80.2
Net-(RGB81-DOUT): length 14.4
  Bottom w0.25: RGB81.2 241.43,28.43 242.93,26.93 RGB82.4
Net-(RGB82-DOUT): length 14.4
  Bottom w0.25: RGB83.4 262.22,26.91 260.7,28.43 RGB82.2
Net-(RGB83-DOUT): length 21.5
  Bottom w0.25: RGB84.4 283.25,26.91 281.75,28.41 RGB83.2
Net-(RGB84-DOUT): length 26.3
  Bottom w0.25: RGB85.4 310.86,26.91 309.36,28.41 RGB84.2
Net-(RGB85-DOUT): length 14.4
  Bottom w0.25: RGB85.2 337.28,28.41 338.78,26.91 RGB86.4
Net-(RGB86-DOUT): length 14.4
  Bottom w0.25: RGB86.2 356.23,28.41 357.73,26.91 RGB87.4
Net-(RGB87-DOUT): length 34.2
  Bottom w0.25: RGB87.2 377.67,28.41 379,27.08 379,15.91 372.46,9.36 RGB99.4
Net-(RGB88-DIN): length 21.5
  Bottom w0.25: RGB89.2 26.97,7.86 25.47,9.36 RGB88.4
Net-(RGB89-DIN): length 19.1
  Bottom w0.25: RGB90.2 53.54,7.86 52.04,9.36 RGB89.4
Net-(RGB90-DIN): length 19.1
  Bottom w0.25: RGB91.2 76.2,7.86 74.7,9.36 RGB90.4
Net-(RGB91-DIN): length 70.7
  Bottom w0.25: RGB92.2 151.17,7.86 146.46,3.15 102.88,3.15 96.67,9.36 RGB91.4
Net-(RGB92-DIN): length 72.8
  Bottom w0.25: RGB93.2 226.34,7.86 219.1,0.62 175.94,0.62 167.2,9.36 RGB92.4
Net-(RGB93-DIN): length 19.1
  Bottom w0.25: RGB94.2 243.71,7.86 242.21,9.36 RGB93.4
Net-(RGB94-DIN): length 19.1
  Bottom w0.25: RGB94.4 267.08,9.36 268.58,7.86 RGB95.2
Net-(RGB95-DIN): length 19.1
  Bottom w0.25: RGB96.2 290.27,7.86 288.77,9.36 RGB95.4
Net-(RGB96-DIN): length 21.5
  Bottom w0.25: RGB96.4 315.34,9.36 316.84,7.86 RGB97.2
Net-(RGB97-DIN): length 14.4
  Bottom w0.25: RGB97.4 337.53,9.36 339.03,7.86 RGB98.2
Net-(RGB98-DIN): length 14.4
  Bottom w0.25: RGB98.4 354.93,9.36 356.43,7.86 RGB99.2
Net-(U1-B): length 2.6
  Bottom w0.25: U1.4 15.17,103.4 R1.1
Net-(U2-PB7): length 220.3
  In1.Cu w0.25: v1(195.43,42.45) 193.98,43.9 193.98,58.17 197.49,61.68 281.03,61.68 286.82,67.47 286.82,98.89 289.21,101.27 v1(322.58,101.27)
  In2.Cu w0.25: v1(193.86,20.3) 192.74,21.42 192.74,23.27 194.14,24.67 199.95,24.67 202.85,27.56 202.85,37.88 198.28,42.45 v1(195.43,42.45)
  Bottom w0.25: v1(193.86,20.3) 194.32,19.83 U2.59 ; R7.1 v1(322.58,101.27)
Net-(U2-VCAP1): length 3.1
  Bottom w0.3: U2.30 190.32,4.78 C12.1

## Copper pours and planes (outline as drawn; the poured copper is in the pictures)
GND on Bottom (solid shape): 154.97,102.06 163.1,102.06 163.1,105.11 154.21,105.11 154.21,103.08
GND on Top, Bottom: 0,128 0,0 380,0 380,128

## Text on the board
F.Silkscreen: Macro Keys | Echo Keyboards 2024 | Michael O'Toole | Ayla80 PCB
